# Allegro board PCIe3_0_X16_V1_0-166-20240802_20240828_pcb.brd (continued)
## Routing (per net, layer and track width the routed paths; a pad name or vN(x,y) marks a point on that pad's centre or on a via; arc(x,y) is an arc through that point) (continued)
FPGA_DDR4_2_DQ56: length 17.8
  TOP w0.201: U1.AV10 v1(127.32,53.23) ; U12.A3 v1(135.69,49.16)
  ART03 w0.137: v1(127.32,53.23) 127.66,53.23 128.2,52.69 128.48,52.57 128.66,52.64 128.77,52.91 128.95,52.99 129.2,52.88 129.28,52.7 129.16,52.43 129.24,52.26 129.49,52.15 129.67,52.22 129.78,52.49 129.96,52.57 130.22,52.46 130.29,52.28 130.18,52.01 130.25,51.84 130.51,51.73 130.68,51.8 130.8,52.07 130.98,52.15 131.23,52.04 131.3,51.86 131.19,51.59 131.27,51.42 131.52,51.31 131.7,51.38 131.81,51.65 131.99,51.73 132.24,51.62 132.32,51.44 132.21,51.17 132.28,51 132.53,50.89 132.71,50.96 132.82,51.23 133,51.31 133.26,51.2 133.33,51.02 133.22,50.75 133.29,50.58 133.55,50.47 133.73,50.54 133.84,50.81 134.02,50.89 134.27,50.78 134.35,50.6 134.23,50.33 134.31,50.16 134.6,49.87 134.79,49.87 135.49,50.56 135.68,50.56 135.87,50.37 135.87,50.18 135.22,49.52 135.22,49.32 135.39,49.16 v1(135.69,49.16)
FPGA_DDR4_2_DQ57: length 17.3
  TOP w0.201: U12.B8 v1(136.49,53.96) ; U1.AV12 v1(127.32,55.23)
  ART03 w0.137: v1(127.32,55.23) 127.29,55.19 126.91,55.19 126.77,55.33 126.77,55.66 126.91,55.79 127.1,55.79 127.23,55.93 127.23,56.15 127.37,56.29 127.64,56.29 127.78,56.15 127.78,55.93 127.92,55.79 128.65,55.79 128.95,56.1 129.8,56.1 130.06,56.35 131.46,56.35 132.49,55.93 132.56,55.75 132.3,55.13 132.38,54.95 132.63,54.85 132.81,54.92 133.07,55.54 133.25,55.61 133.94,55.32 134.22,55.32 134.36,55.46 134.36,56.07 134.49,56.21 134.74,56.21 134.9,56.05 134.9,55.46 135.04,55.32 135.96,55.32 136.09,55.18 136.09,54.11 136.25,53.96 v1(136.49,53.96)
FPGA_DDR4_2_DQ58: length 17.2
  TOP w0.201: U1.AV11 v1(127.32,54.23) ; U12.C3 v1(137.29,49.16)
  ART03 w0.137: v1(127.32,54.23) 127.42,54.23 128,53.64 128.51,53.64 134.82,51.03 136.38,51.03 136.61,51.26 137.67,51.26 137.83,51.09 137.83,50.63 137.69,50.49 136.47,50.49 136.33,50.35 136.33,50.08 136.47,49.94 137.47,49.94 137.6,49.8 137.6,49.46 v1(137.29,49.16)
FPGA_DDR4_2_DQ59: length 15
  TOP w0.201: U12.C7 v1(137.29,53.16) ; U1.AW12 v1(128.32,55.23)
  ART03 w0.137: v1(137.29,53.16) 136.89,53.56 135.6,53.56 134.92,53.84 134.85,54.02 134.95,54.26 134.87,54.44 134.62,54.55 134.44,54.47 134.34,54.23 134.16,54.15 133.91,54.26 133.83,54.44 133.93,54.68 133.86,54.86 133.61,54.97 133.43,54.89 133.32,54.65 132.69,54.38 132.48,54.38 131.75,54.68 131.67,54.86 131.93,55.49 131.86,55.67 131.61,55.78 131.43,55.7 131.17,55.07 130.99,55 130.73,55.1 130.66,55.28 130.78,55.58 130.71,55.76 130.45,55.86 130.27,55.79 130.15,55.49 129.97,55.42 129.59,55.58 128.92,55.58 128.57,55.23 v1(128.32,55.23)
FPGA_DDR4_2_DQ60: length 17.8
  TOP w0.201: U12.C2 v1(137.29,48.36) ; U1.AU10 v1(126.32,53.23)
  ART03 w0.137: v1(137.29,48.36) 136.89,48.76 135.07,48.76 134.14,49.69 133.68,49.88 133.5,49.81 133.43,49.65 133.25,49.58 133,49.68 132.93,49.86 132.99,50.02 132.92,50.2 132.66,50.3 132.48,50.23 132.42,50.07 132.24,50 131.99,50.1 131.91,50.28 131.98,50.44 131.9,50.62 131.65,50.72 131.47,50.65 131.4,50.49 131.23,50.42 130.97,50.52 130.9,50.7 130.96,50.86 130.89,51.04 130.63,51.14 130.46,51.07 130.39,50.91 130.21,50.84 129.96,50.94 129.88,51.12 129.95,51.28 129.87,51.46 129.62,51.56 129.44,51.49 129.38,51.33 129.2,51.26 128.94,51.36 128.87,51.54 128.93,51.7 128.86,51.88 128.27,52.12 128.15,52.12 127.69,51.66 127.5,51.66 127.3,51.85 127.3,52.05 127.62,52.36 127.62,52.56 127.39,52.78 126.83,52.78 126.39,53.23 v1(126.32,53.23)
FPGA_DDR4_2_DQ61: length 15.1
  TOP w0.201: U12.C8 v1(137.29,53.96) ; U1.AW13 v1(128.32,56.23)
  ART03 w0.137: v1(128.32,56.23) 128.55,56.23 128.97,56.64 129.47,56.64 129.93,57.1 131.42,57.1 131.56,56.96 131.56,56.86 131.7,56.72 131.97,56.72 132.11,56.86 132.11,56.96 132.25,57.1 132.52,57.1 132.66,56.96 132.66,56.35 132.8,56.21 133.07,56.21 133.21,56.35 133.21,56.96 133.34,57.1 133.62,57.1 133.76,56.96 133.76,56.68 133.89,56.54 134.17,56.54 134.3,56.68 134.3,56.96 134.44,57.1 134.94,57.1 136.89,55.14 136.89,54.36 v1(137.29,53.96)
FPGA_DDR4_2_DQ62: length 17.1
  TOP w0.201: U1.AW11 v1(128.32,54.23) ; U12.D3 v1(138.09,49.16)
  ART03 w0.137: v1(138.09,49.16) U12.D3 138.49,50.29 138.63,50.43 139.17,50.43 139.3,50.56 139.3,51.73 139.17,51.87 138.81,51.87 138.67,51.73 138.67,51.55 138.54,51.41 138.26,51.41 138.13,51.55 138.13,51.73 137.99,51.87 136.48,51.87 136.07,51.46 135.08,51.46 129.18,53.9 128.65,53.9 v1(128.32,54.23)
FPGA_DDR4_2_DQ63: length 16.3
  TOP w0.201: U1.AU13 v1(126.32,56.23) ; U12.D7 v1(138.09,53.16)
  ART03 w0.137: v1(126.32,56.23) 127.19,56.69 127.38,56.77 128.54,56.77 129.3,57.53 135.49,57.53 137.69,55.33 137.69,53.86 137.81,53.58 v1(138.09,53.16)
FPGA_DDR4_2_DQ64: length 19.9
  TOP w0.201: U13.G2 v1(140.49,60.93) ; U1.AV19 v1(127.32,62.23)
  ART03 w0.137: v1(127.32,62.23) 127.32,62.44 127.54,62.66 128.95,62.66 129.17,62.57 129.35,62.64 129.49,62.97 129.67,63.04 129.92,62.94 129.99,62.76 129.86,62.43 129.93,62.25 130.19,62.15 130.37,62.22 130.5,62.55 130.68,62.62 130.93,62.52 131.01,62.34 130.87,62.01 130.95,61.83 131.2,61.73 131.38,61.8 131.51,62.13 131.69,62.2 131.95,62.1 132.02,61.92 131.89,61.59 131.96,61.41 132.22,61.31 132.39,61.38 132.53,61.71 132.71,61.78 132.96,61.68 133.04,61.5 132.9,61.17 132.98,60.99 133.23,60.89 133.41,60.96 133.54,61.29 133.72,61.36 133.98,61.26 134.05,61.08 133.98,60.91 134.06,60.73 134.55,60.53 140.35,60.53 140.49,60.68 v1(140.49,60.93)
FPGA_DDR4_2_DQ65: length 18
  TOP w0.201: U13.F7 v1(139.69,65.73) ; U1.AU22 v1(126.32,66.23)
  ART03 w0.137: v1(126.32,66.23) 126.32,66.44 127.06,67.18 127.06,67.59 127.48,68.01 128.03,68.01 128.17,67.87 128.17,67.55 128.31,67.41 128.58,67.41 128.72,67.55 128.72,67.87 128.85,68.01 129.13,68.01 129.27,67.87 129.27,67.55 129.4,67.41 129.68,67.41 129.82,67.55 129.82,67.87 129.95,68.01 130.36,68.01 134.9,66.13 139.29,66.13 v1(139.69,65.73)
FPGA_DDR4_2_DQ66: length 19.2
  TOP w0.201: U13.H3 v1(141.29,61.73) ; U1.AW19 v1(128.32,62.23)
  ART03 w0.137: v1(128.32,62.23) 128.33,62.22 128.85,62.22 129.46,61.96 129.53,61.78 129.47,61.64 129.57,61.41 129.75,61.34 129.98,61.43 130.04,61.57 130.22,61.65 130.47,61.54 130.55,61.36 130.49,61.22 130.56,61.04 130.82,60.94 130.99,61.01 131.05,61.15 131.23,61.23 131.49,61.12 131.56,60.94 131.5,60.8 131.58,60.62 131.83,60.52 132.01,60.59 132.07,60.73 132.25,60.81 132.5,60.7 132.57,60.52 132.52,60.38 132.59,60.2 132.84,60.1 133.02,60.17 133.08,60.31 133.26,60.39 133.51,60.28 133.59,60.1 133.53,59.96 133.6,59.78 133.86,59.68 134.04,59.75 134.09,59.89 134.27,59.97 134.69,59.79 135.29,59.79 135.47,59.61 140.57,59.61 140.89,59.93 140.89,61.13 141.29,61.53 v1(141.29,61.73)
FPGA_DDR4_2_DQ67: length 16.8
  TOP w0.201: U1.AW22 v1(128.32,66.23) ; U13.H7 v1(141.29,65.73)
  ART03 w0.137: v1(141.29,65.73) 140.08,64.52 134.22,64.52 131.16,65.79 130.97,65.79 130.83,65.92 130.83,66.21 130.7,66.34 130.42,66.34 130.29,66.21 130.29,65.92 130.15,65.79 129.87,65.79 129.74,65.92 129.74,66.21 129.6,66.34 129.33,66.34 129.19,66.21 129.19,65.92 129.05,65.79 128.76,65.79 v1(128.32,66.23)
FPGA_DDR4_2_DQ68: length 20.5
  TOP w0.201: U1.AU18 v1(126.32,61.23) ; U13.H2 v1(141.29,60.93)
  ART03 w0.137: v1(126.32,61.23) 126.82,60.73 130.2,60.73 130.58,60.57 130.66,60.39 130.55,60.14 130.62,59.96 130.88,59.85 131.06,59.93 131.16,60.18 131.34,60.26 131.6,60.15 131.67,59.97 131.56,59.72 131.64,59.54 131.89,59.43 132.07,59.51 132.18,59.76 132.36,59.84 134.73,58.85 140.8,58.85 141.72,59.77 141.72,60.51 v1(141.29,60.93)
FPGA_DDR4_2_DQ69: length 18.9
  TOP w0.201: U13.H8 v1(141.29,66.53) ; U1.AT22 v1(125.32,66.23)
  ART03 w0.137: v1(125.32,66.23) 125.84,67.49 126.28,67.93 127.61,68.48 130.47,68.48 134.21,66.93 140.89,66.93 v1(141.29,66.53)
FPGA_DDR4_2_DQ70: length 20.5
  TOP w0.201: U13.J3 v1(142.89,61.73) ; U1.AU19 v1(126.32,62.23)
  ART03 w0.137: v1(126.32,62.23) 127.79,63.44 127.95,63.54 128.28,63.68 128.79,63.68 129.78,63.48 134.97,61.33 140.66,61.33 140.89,61.56 140.89,61.94 141.11,62.15 141.39,62.15 141.52,62.29 141.52,62.68 141.66,62.81 141.93,62.81 142.07,62.68 142.07,62.29 142.21,62.15 142.47,62.15 v1(142.89,61.73)
FPGA_DDR4_2_DQ71: length 16.8
  TOP w0.127: U1.AW21 v1(128.32,65.23)
  TOP w0.201: U13.J7 v1(142.89,65.73)
  ART03 w0.137: v1(128.32,65.23) 128.45,65.35 131.05,65.35 134.18,64.06 141.22,64.06 v1(142.89,65.73)
FPGA_DDR4_2_LDM1_N: length 53.2
  TOP w0.201: U1.AG14 v1(116.32,57.23) ; U9.E7 v1(138.89,90.87)
  ART10 w0.137: v1(116.32,57.23) 116.83,57.73 116.83,63.42 117.78,64.38 118.16,64.38 118.86,65.07 118.86,65.57 118.99,65.71 125.61,65.71 125.84,65.94 125.84,66.52 125.97,66.65 128.33,66.65 128.64,66.95 128.64,68.37 128.77,68.51 128.93,68.51 129.07,68.65 129.07,68.92 128.93,69.06 128.77,69.06 128.64,69.2 128.64,69.47 128.77,69.61 128.93,69.61 129.07,69.75 129.07,70.02 128.93,70.16 128.77,70.16 128.64,70.29 128.64,70.68 128.77,70.82 129.16,70.82 129.3,70.95 129.3,84.96 134.81,90.47 138.49,90.47 v1(138.89,90.87)
FPGA_DDR4_2_LDM2_N: length 37.6
  TOP w0.201: U1.AP16 v1(123.32,59.23) ; U10.E7 v1(138.89,78.3)
  ART05 w0.137: v1(123.32,59.23) 123.32,59.5 123.81,59.99 123.81,60.5 124.06,60.76 124.45,60.76 124.83,61.14 124.83,61.39 125.21,61.77 125.46,61.77 125.84,62.15 125.84,62.53 126.1,62.79 127.59,62.79 127.82,63.02 127.82,63.4 129.58,65.15 129.58,65.75 129.71,65.89 129.97,65.89 130.11,66.03 130.11,66.3 129.97,66.44 129.71,66.44 129.58,66.58 129.58,66.85 129.71,66.99 130.1,66.99 130.24,67.13 130.24,67.4 130.1,67.54 129.71,67.54 129.58,67.67 129.58,67.95 129.71,68.09 130.1,68.09 130.24,68.22 130.24,68.5 130.1,68.63 129.71,68.63 129.58,68.77 129.58,69.05 129.71,69.18 130.1,69.18 130.24,69.32 130.24,69.59 130.1,69.73 129.71,69.73 129.58,69.87 129.58,70.14 129.71,70.28 130.1,70.28 130.24,70.42 130.24,70.69 130.1,70.83 129.71,70.83 129.58,70.97 129.58,71.24 129.71,71.38 130.12,71.38 130.26,71.52 130.26,71.79 130.12,71.93 129.71,71.93 129.58,72.06 129.58,72.41 130.33,74.23 130.51,74.31 130.7,74.23 130.88,74.3 130.99,74.55 130.91,74.73 130.72,74.81 130.65,74.99 130.91,75.63 133.98,78.7 138.49,78.7 v1(138.89,78.3)
FPGA_DDR4_2_LDM3_N: length 39.1
  TOP w0.201: U1.AG12 v1(116.32,55.23) ; U11.E7 v1(138.89,40.58)
  ART10 w0.137: v1(138.89,40.58) 138.49,40.98 135.51,40.98 133.97,42.52 133.97,52.32 133.68,52.62 133.68,52.81 133.77,52.91 133.77,53.11 133.58,53.3 133.39,53.3 133.29,53.2 133.09,53.2 132.9,53.4 132.9,53.59 133,53.69 133,53.88 132.8,54.08 132.61,54.08 132.51,53.98 132.32,53.98 132.12,54.17 132.12,54.37 132.22,54.46 132.22,54.66 132.03,54.85 131.83,54.85 131.73,54.75 131.54,54.75 130.49,55.8 130.05,55.8 129.92,55.67 129.92,55.26 129.78,55.12 129.5,55.12 129.37,55.26 129.37,55.67 129.23,55.8 121.02,55.8 120.38,55.17 118.86,55.17 118.48,54.79 116.95,54.79 116.51,55.23 v1(116.32,55.23)
FPGA_DDR4_2_LDM4_N: length 27.1
  TOP w0.201: U1.AR9 v1(124.32,52.23) ; U12.E7 v1(138.89,52.36)
  ART05 w0.137: v1(124.32,52.23) 124.59,52.23 125.08,51.74 125.46,51.74 125.84,51.36 126.55,51.36 127.14,51.94 129.27,51.94 130.34,50.88 130.63,50.88 130.77,51.01 130.77,52.09 130.9,52.22 131.18,52.22 131.32,52.09 131.32,51.01 131.45,50.88 131.73,50.88 131.86,51.01 131.86,52.09 132,52.22 132.28,52.22 132.41,52.09 132.41,51.01 132.55,50.88 132.82,50.88 132.96,51.01 132.96,52.09 133.1,52.22 133.37,52.22 133.51,52.09 133.51,51.01 133.65,50.88 133.92,50.88 134.06,51.01 134.06,52.09 134.2,52.22 134.47,52.22 134.61,52.09 134.61,51.19 134.74,51.05 135.04,51.05 135.18,51.2 135.18,51.84 135.28,51.94 138.48,51.94 v1(138.89,52.36)
FPGA_DDR4_2_LDM5_N: length 20.4
  TOP w0.201: U1.AU20 v1(126.32,63.23) ; U13.E7 v1(138.89,65.73)
  ART03 w0.137: v1(138.89,65.73) 138.89,65.21 138.76,65.07 135.95,65.07 135.04,65.45 134.87,65.38 134.76,65.12 134.58,65.04 134.33,65.15 134.25,65.33 134.36,65.59 134.28,65.77 134.03,65.87 133.85,65.8 133.74,65.54 133.57,65.46 133.31,65.57 133.24,65.75 133.34,66.01 133.27,66.19 133.02,66.29 132.84,66.22 132.73,65.96 132.55,65.88 132.3,65.99 132.22,66.17 132.33,66.43 132.26,66.61 131.42,66.95 127.67,66.95 127.44,66.73 127.11,66.73 126.86,66.47 126.86,64.85 126.15,64.14 126.15,63.4 v1(126.32,63.23)
FPGA_DDR4_2_LDQS1_C: length 53.6
  TOP w0.173: U1.AH15 v1(117.32,58.23) ; U9.F3 v1(139.69,86.87)
  ART10 w0.102: 119.85,63.74 119.82,63.74 119.76,63.8 119.15,63.8 118.92,63.58 118.92,60.98 118.57,60.63 118.16,60.63 117.92,60.4 117.92,58.9 117.65,58.63 117.42,58.63 117.28,58.49 117.28,58.27 v1(117.32,58.23)
  ART10 w0.14: 119.85,63.74 129.54,63.74 130.74,64.95 130.74,67.99 130.88,68.13 131.66,68.13 131.99,68.46 131.99,69.3 131.66,69.63 130.88,69.63 130.74,69.77 130.74,83.86 135.12,88.24 137.63,88.24 137.77,88.1 137.77,87.95 137.91,87.81 138.19,87.81 138.33,87.95 138.33,88.1 138.47,88.24 139.3,88.24 139.93,87.61 139.93,87.11 v1(139.69,86.87)
FPGA_DDR4_2_LDQS1_T: length 53.6
  TOP w0.173: U9.G3 v1(140.49,86.87) ; U1.AH16 v1(117.32,59.23)
  ART10 w0.102: v1(117.32,59.23) 117.32,58.93 117.42,58.83 117.57,58.83 117.72,58.98 117.72,60.48 118.07,60.83 118.48,60.83 118.72,61.07 118.72,63.66 119.07,64.01 119.76,64.01 119.82,64.07 119.85,64.07
  ART10 w0.14: v1(140.49,86.87) 140.26,87.11 140.26,87.74 139.43,88.57 134.99,88.57 130.41,84 130.41,69.63 130.75,69.3 131.52,69.3 131.66,69.16 131.66,68.6 131.52,68.46 130.75,68.46 130.41,68.13 130.41,65.08 129.4,64.07 119.85,64.07
FPGA_DDR4_2_LDQS2_C: length 37.6
  TOP w0.173: U10.F3 v1(139.69,74.3) ; U1.AT13 v1(125.32,56.23)
  ART05 w0.102: 128.61,56.56 128.59,56.56 128.52,56.63 125.05,56.63 124.92,56.5 124.92,56.33 125.02,56.23 v1(125.32,56.23)
  ART05 w0.14: v1(139.69,74.3) 139.93,74.54 139.93,74.78 139.68,75.03 135.73,75.03 134.88,74.18 134.88,72.93 135.67,72.14 135.67,71.91 135.81,71.77 136.17,71.77 136.33,71.61 136.33,71.38 136.17,71.21 135.81,71.21 135.67,71.07 135.67,69.05 134.88,68.27 134.88,62.37 134.34,61.83 134.34,61.63 134.86,61.12 134.86,60.65 134.27,60.06 133.8,60.06 133.28,60.58 133.09,60.58 132.69,60.18 132.69,59.99 133.24,59.43 133.24,58.96 132.66,58.38 132.19,58.38 131.63,58.93 131.44,58.93 129.07,56.56 128.61,56.56
FPGA_DDR4_2_LDQS2_T: length 37.6
  TOP w0.173: U10.G3 v1(140.49,74.3) ; U1.AR13 v1(124.32,56.23)
  ART05 w0.102: v1(124.32,56.23) 124.62,56.23 124.72,56.33 124.72,56.58 124.96,56.83 128.52,56.83 128.59,56.89 128.61,56.89
  ART05 w0.14: 128.61,56.89 128.94,56.89 131.3,59.26 131.77,59.26 132.32,58.7 132.52,58.7 132.92,59.1 132.92,59.3 132.36,59.85 132.36,60.32 132.95,60.91 133.42,60.91 133.94,60.39 134.14,60.39 134.53,60.78 134.53,60.98 134.01,61.5 134.01,61.97 134.55,62.51 134.55,68.4 135.34,69.19 135.34,72.01 134.55,72.8 134.55,74.32 135.6,75.36 139.81,75.36 140.26,74.92 140.26,74.54 v1(140.49,74.3)
FPGA_DDR4_2_LDQS3_C: length 39.5
  TOP w0.127: U1.AH9 v1(117.32,52.23)
  TOP w0.173: v1(139.69,38.51) 139.94,38.27 139.94,37.9 140.33,37.51 140.33,37.22 U11.F3
  ART10 w0.102: 128.67,53.56 128.64,53.56 128.58,53.63 117.1,53.63 116.92,53.45 116.92,52.63 v1(117.32,52.23)
  ART10 w0.14: 128.67,53.56 129.17,53.56 129.7,53.04 129.7,52.84 129.48,52.62 129.48,52.37 129.62,52.23 129.87,52.23 130.09,52.45 130.29,52.45 132.37,50.37 132.37,42 135.29,39.09 139.79,39.09 139.93,38.95 139.93,38.75 v1(139.69,38.51)
FPGA_DDR4_2_LDQS3_T: length 39.5
  TOP w0.127: U1.AG9 v1(116.32,52.23)
  TOP w0.173: v1(140.49,38.51) 140.27,38.29 140.27,38.03 140.66,37.64 140.66,37.22 U11.G3
  ART10 w0.102: 128.67,53.89 128.64,53.89 128.58,53.83 117.01,53.83 116.72,53.54 116.72,52.63 v1(116.32,52.23)
  ART10 w0.14: 128.67,53.89 129.31,53.89 132.7,50.5 132.7,42.14 135.43,39.41 139.93,39.41 140.26,39.08 140.26,38.75 v1(140.49,38.51)
FPGA_DDR4_2_LDQS4_C: length 25.8
  TOP w0.173: U1.AN11 v1(122.32,54.23) ; U12.F3 v1(139.69,49.16)
  ART05 w0.102: 128.84,50.56 128.81,50.56 128.75,50.62 125.05,50.62 123.72,51.96 123.72,54.46 123.56,54.63 122.42,54.63 122.32,54.53 v1(122.32,54.23)
  ART05 w0.14: 128.84,50.56 129.2,50.56 129.87,49.89 135.2,49.89 136.26,50.95 137.76,50.95 137.9,50.82 137.9,50.61 138.04,50.47 138.32,50.47 138.46,50.61 138.46,50.82 138.6,50.95 139.02,50.95 139.18,51.11 139.77,51.11 139.93,50.94 139.93,50.48 139.76,50.31 139.76,49.23 v1(139.69,49.16)
FPGA_DDR4_2_LDQS4_T: length 25.8
  TOP w0.173: U1.AN12 v1(122.32,55.23) ; U12.G3 v1(140.49,49.16)
  ART05 w0.102: v1(122.32,55.23) 122.32,54.93 122.42,54.83 123.64,54.83 123.92,54.55 123.92,52.04 125.14,50.83 128.75,50.83 128.81,50.89 128.84,50.89
  ART05 w0.14: 128.84,50.89 129.33,50.89 130.01,50.22 135.06,50.22 136.13,51.28 138.89,51.28 139.04,51.44 139.9,51.44 140.26,51.08 140.26,50.34 140.09,50.18 140.09,49.56 v1(140.49,49.16)
FPGA_DDR4_2_LDQS5_C: length 17.7
  TOP w0.173: U13.F3 v1(139.69,61.73) ; U1.AV21 v1(127.32,65.23)
  ART03 w0.102: 127.66,64.85 127.66,64.87 127.72,64.93 127.72,65.48 127.58,65.63 127.42,65.63 127.32,65.53 v1(127.32,65.23)
  ART03 w0.14: v1(139.69,61.73) 139.93,61.97 139.93,62.77 139.63,63.07 139.09,63.07 138.95,62.93 138.95,62.9 138.81,62.76 138.54,62.76 138.4,62.9 138.4,62.93 138.26,63.07 137.43,63.07 137.29,62.93 137.29,62.82 136.96,62.49 136.13,62.49 135.79,62.82 135.79,62.93 135.65,63.07 132.77,63.07 129.64,64.37 127.99,64.37 127.66,64.7 127.66,64.85
FPGA_DDR4_2_LDQS5_T: length 17.8
  TOP w0.173: U1.AV22 v1(127.32,66.23) ; U13.G3 v1(140.49,61.73)
  ART03 w0.102: v1(127.32,66.23) 127.32,65.93 127.42,65.83 127.66,65.83 127.92,65.57 127.92,64.93 127.98,64.87 127.98,64.85
  ART03 w0.14: v1(140.49,61.73) 140.26,61.97 140.26,62.9 139.76,63.4 137.29,63.4 136.96,63.07 136.96,62.95 136.82,62.81 136.26,62.81 136.12,62.95 136.12,63.07 135.79,63.4 132.84,63.4 129.71,64.69 128.12,64.69 127.98,64.83 127.98,64.85
FPGA_DDR4_2_ODT: length 134.6
  TOP w0.152: U12.K3 v1(143.69,49.16)
  TOP w0.201: R147.1 v1(150.73,87.05)
  TOP w0.229: U9.K3 v1(143.69,86.87) ; U13.K3 v1(143.69,61.73) ; U11.K3 v1(143.69,36.58) ; U10.K3 v1(143.69,74.3) ; U1.AK20 v1(119.32,63.23)
  ART03 w0.137: v1(143.69,36.58) 143.29,36.18 135.43,36.18
  ART03 w0.155: 135.43,36.18 134.48,35.79 132.76,35.08 118.96,35.08 112.89,41.15 112.89,41.65 112.73,41.8 112.61,41.8 112.46,41.96 112.46,42.27 112.61,42.42 112.73,42.42 112.89,42.58 112.89,42.89 112.73,43.04 112.61,43.04 112.46,43.2 112.46,43.51 112.61,43.66 112.73,43.66 112.89,43.82 112.89,60.5 113.11,60.73 113.49,60.73 113.9,61.13 113.9,61.4 114.27,61.77 114.54,61.77 114.9,62.13 114.9,62.4 115.28,62.79 115.56,62.79 115.9,63.13 115.9,63.4 116.17,63.68 118.87,63.68 v1(119.32,63.23)
  ART05 w0.137: v1(143.69,86.87) 144.09,87.27 148.07,87.27 148.22,87.43 150.35,87.43 v1(150.73,87.05)
  ART12 w0.086: v1(143.69,36.58) 143.69,39.11 144.89,40.31 144.89,43.66 145.1,43.87 145.1,44.55 142.48,47.17 142.48,48.56 142.67,48.76 143.29,48.76 v1(143.69,49.16) 143.69,51.23 144.89,52.43 144.89,56.24 145.1,56.44 145.1,57.12 142.48,59.74 142.48,61.14 142.67,61.33 143.29,61.33 v1(143.69,61.73) 143.69,63.78 144.89,64.97 144.89,68.81 145.1,69.01 145.1,69.7 142.48,72.31 142.48,73.71 142.67,73.9 143.29,73.9 v1(143.69,74.3) 143.69,76.13 144.89,77.33 144.89,81.38 145.1,81.58 145.1,82.27 142.48,84.89 142.48,86.28 142.67,86.47 143.29,86.47 v1(143.69,86.87)
FPGA_DDR4_2_PAR: length 131.9
  TOP w0.201: R148.1 150.97,86.41 150.45,86.41 149.46,87.4 149.02,87.4 v1(148.49,86.87)
  TOP w0.229: U12.T3 v1(148.49,49.16) ; U11.T3 v1(148.49,36.58) ; U1.AG19 v1(116.32,62.23) ; U10.T3 v1(148.49,74.3) ; v1(148.49,86.87) U9.T3 ; U13.T3 v1(148.49,61.73)
  ART05 w0.155: v1(116.32,62.23) 116.32,61.9 115.81,61.39 115.81,44.98 116.09,44.7 116.57,44.7 116.8,44.48 116.8,43.99 119.37,41.43 122.36,41.43 124.5,39.29 131.13,39.29 131.29,39.14 131.29,38.71 131.44,38.56 131.75,38.56 131.91,38.71 131.91,39.14 132.06,39.29 132.37,39.29 132.53,39.14 132.53,38.71 132.68,38.56 132.99,38.56 133.15,38.71 133.15,39.14 133.3,39.29 133.61,39.29 133.77,39.14 133.77,38.71 133.92,38.56 134.1,38.56 134.76,37.9 137.58,37.9 137.73,38.05 137.73,38.17 137.89,38.33 138.2,38.33 138.35,38.17 138.35,38.05 138.51,37.9 141.82,37.9 142.43,38.51 143.72,38.51 144,38.79 144.59,38.79 144.75,38.63 144.75,38.1 144.9,37.95 145.21,37.95 145.37,38.1 145.37,38.63 145.52,38.79 145.83,38.79 145.99,38.63 145.99,38.1 146.14,37.95 146.45,37.95 146.61,38.1 146.61,38.63 146.76,38.79 147.07,38.79 147.23,38.63 147.23,38.1 147.38,37.95 147.69,37.95 147.85,38.1 147.85,38.63 148,38.79 148.68,38.79 148.85,38.61 148.85,38.18 148.7,38.03 148.4,38.03 148.25,37.87 148.25,37.56 148.4,37.41 148.7,37.41 148.85,37.25 148.85,36.94 v1(148.49,36.58)
  ART12 w0.086: v1(148.49,86.87) 148.91,86.46 149.5,86.46 149.87,86.08 150.33,84.98 150.33,83.5 150.61,82.83 150.61,76.42 150.35,76.16 150.23,76.16 150.14,76.25 150.02,76.25 149.9,76.12 149.9,76 149.98,75.91 149.98,75.79 149.86,75.67 149.74,75.67 149.72,75.69 149.59,75.69 149.47,75.57 149.47,75.45 149.5,75.43 149.5,75.3 v1(148.49,74.3) 148.91,73.89 149.5,73.89 150.61,72.78 150.61,64.44 149.85,63.68 149.85,63.56 149.96,63.45 149.96,63.33 149.83,63.21 149.71,63.21 149.61,63.32 149.48,63.32 148.96,62.79 148.96,62.19 v1(148.49,61.73) 148.91,61.32 149.5,61.32 150.61,60.2 150.61,51.87 149.85,51.11 149.85,50.99 149.96,50.88 149.96,50.76 149.83,50.64 149.71,50.64 149.61,50.74 149.48,50.74 148.98,50.24 148.98,49.64 v1(148.49,49.16) 148.91,48.74 149.5,48.74 150.61,47.63 150.61,39.29 149.85,38.54 149.85,38.41 149.96,38.31 149.96,38.19 149.83,38.06 149.71,38.06 149.61,38.17 149.48,38.17 148.49,37.18 v1(148.49,36.58)
FPGA_DDR4_2_RAS_N: length 133.6
  TOP w0.229: U9.L8 v1(144.49,91.67) ; U12.L8 v1(144.49,53.96) ; U11.L8 v1(144.49,41.38) ; U10.L8 v1(144.49,79.1) ; U13.L8 v1(144.49,66.53) ; U1.AN19 v1(122.32,62.23)
  ART03 w0.137: 142.45,41.78 143.86,41.78 144.26,41.38 v1(144.49,41.38)
  ART03 w0.155: v1(122.32,62.23) 122.32,62.06 121.78,61.52 121.78,60.88 121.65,60.76 121.14,60.76 120.89,60.51 120.89,43.51 121.4,43 121.74,43 121.89,42.85 121.89,42.17 122.05,42.01 122.36,42.01 122.51,42.17 122.51,42.85 122.67,43 122.98,43 123.13,42.85 123.13,42.17 123.29,42.01 123.6,42.01 123.75,42.17 123.75,42.85 123.91,43 124.21,43 124.37,42.85 124.37,42.17 124.52,42.01 124.83,42.01 124.99,42.17 124.99,42.85 125.14,43 125.45,43 125.61,42.85 125.61,42.17 125.76,42.01 126.07,42.01 126.23,42.17 126.23,42.85 126.38,43 126.69,43 126.85,42.85 126.85,42.17 127,42.01 127.31,42.01 127.47,42.17 127.47,42.85 127.62,43 127.93,43 128.09,42.85 128.09,42.17 128.24,42.01 128.55,42.01 128.71,42.17 128.71,42.85 128.86,43 129.17,43 129.33,42.85 129.33,42.17 129.48,42.01 129.79,42.01 129.95,42.17 129.95,42.85 130.1,43 130.41,43 130.57,42.85 130.57,42.17 130.72,42.01 131.03,42.01 131.19,42.17 131.19,42.85 131.34,43 131.65,43 131.81,42.85 131.81,42.17 131.96,42.01 132.27,42.01 132.43,42.17 132.43,42.85 132.58,43 132.89,43 133.05,42.85 133.05,42.09 133.2,41.94 133.51,41.94 133.67,42.09 133.67,42.85 133.82,43 141.23,43 142.45,41.78
  ART10 w0.086: v1(144.49,91.67) 144.49,91.51 144.89,91.11 144.89,84.23 144.36,83.69 144.23,83.69 144.13,83.8 144,83.8 143.88,83.67 143.88,83.55 143.99,83.44 143.99,83.32 143.87,83.2 143.74,83.2 143.63,83.32 143.5,83.32 143.38,83.2 143.38,83.08 143.5,82.96 143.5,82.83 143.29,82.63 143.29,79.77 143.57,79.5 143.83,79.5 144.07,79.4 144.28,79.19 144.4,79.19 v1(144.49,79.1) 144.49,78.93 144.89,78.53 144.89,71.66 144.36,71.12 144.23,71.12 144.13,71.22 144,71.22 143.88,71.1 143.88,70.98 143.99,70.87 143.99,70.75 143.87,70.63 143.74,70.63 143.63,70.75 143.5,70.75 143.38,70.62 143.38,70.5 143.5,70.38 143.5,70.26 143.29,70.06 143.29,67.2 143.57,66.93 143.83,66.93 144.07,66.83 144.28,66.62 144.4,66.62 v1(144.49,66.53) 144.49,66.36 144.89,65.96 144.89,59.08 144.36,58.54 144.23,58.54 144.13,58.65 144,58.65 143.88,58.53 143.88,58.41 143.99,58.3 143.99,58.18 143.87,58.05 143.74,58.05 143.63,58.17 143.5,58.17 143.38,58.05 143.38,57.93 143.5,57.81 143.5,57.69 143.29,57.48 143.29,54.63 143.57,54.36 143.83,54.36 144.07,54.26 144.28,54.05 144.4,54.05 v1(144.49,53.96) 144.49,53.79 144.89,53.39 144.89,46.51 144.36,45.97 144.23,45.97 144.13,46.08 144,46.08 143.88,45.95 143.88,45.83 143.99,45.73 143.99,45.6 143.87,45.48 143.74,45.48 143.63,45.6 143.5,45.6 143.38,45.48 143.38,45.36 143.5,45.24 143.5,45.12 143.29,44.91 143.29,42.05 143.57,41.78 143.83,41.78 144.07,41.68 144.28,41.47 144.4,41.47 v1(144.49,41.38)
  BOTTOM w0.127: 144.89,90.6 144.89,91.27 v1(144.49,91.67)
  BOTTOM w0.201: 144.89,90.6 144.89,90.44 145.05,90.06 146.06,89.05 150.1,89.05 R138.1
FPGA_DDR4_2_RESET_N: length 134.8
  TOP w0.127: U1.AN20 v1(122.32,63.23)
  TOP w0.229: U9.P1 v1(146.89,85.27) ; U12.P1 v1(146.89,47.56) ; U13.P1 v1(146.89,60.13) ; U11.P1 v1(146.89,34.98) ; U10.P1 v1(146.89,72.7)
  ART03 w0.127: v1(146.89,85.27) 147.69,84.48 147.69,80.45 147.3,80.06 147.3,80.06 147.29,80.05 147.29,73.1 v1(146.89,72.7) 147.69,71.91 147.69,67.88 147.3,67.49 147.3,67.48 147.29,67.48 147.29,60.53 v1(146.89,60.13) 147.69,59.34 147.69,55.3 147.3,54.92 147.3,54.91 147.29,54.9 147.29,47.96 v1(146.89,47.56) 148.09,46.36 148.09,35.56 147.92,35.38 147.29,35.38 v1(146.89,34.98) 145.13,33.22 118.75,33.22 110.86,41.11 110.86,61.52 111.11,61.77 111.49,61.77 111.87,62.15 111.87,62.41 112.13,62.66 112.51,62.66 112.76,62.92 112.76,63.55 113.6,64.39 115.2,64.39 115.83,65.02 115.83,65.46 116.09,65.71 118.58,65.71 118.86,65.43 118.86,64.74 119.77,63.83 119.77,62.92 119.97,62.71 121.8,62.71 v1(122.32,63.23)